# Altium PCB senior_board_rev2.PcbDoc (part 3 of 3)
Units mil, origin at the board's own origin, x right, y up, seen from the top; angles counter-clockwise.
Board outline 5400 x 4100 mil, 4 copper layers (Top Layer, +12V, +1V2, +5V, VOCM, +3V3, -5V, Bottom Layer), stack 30.634 mil thick; 402 components, 226 nets, 1219 pads, 242 vias.
Unrouted connection lines stored in the file: 2.
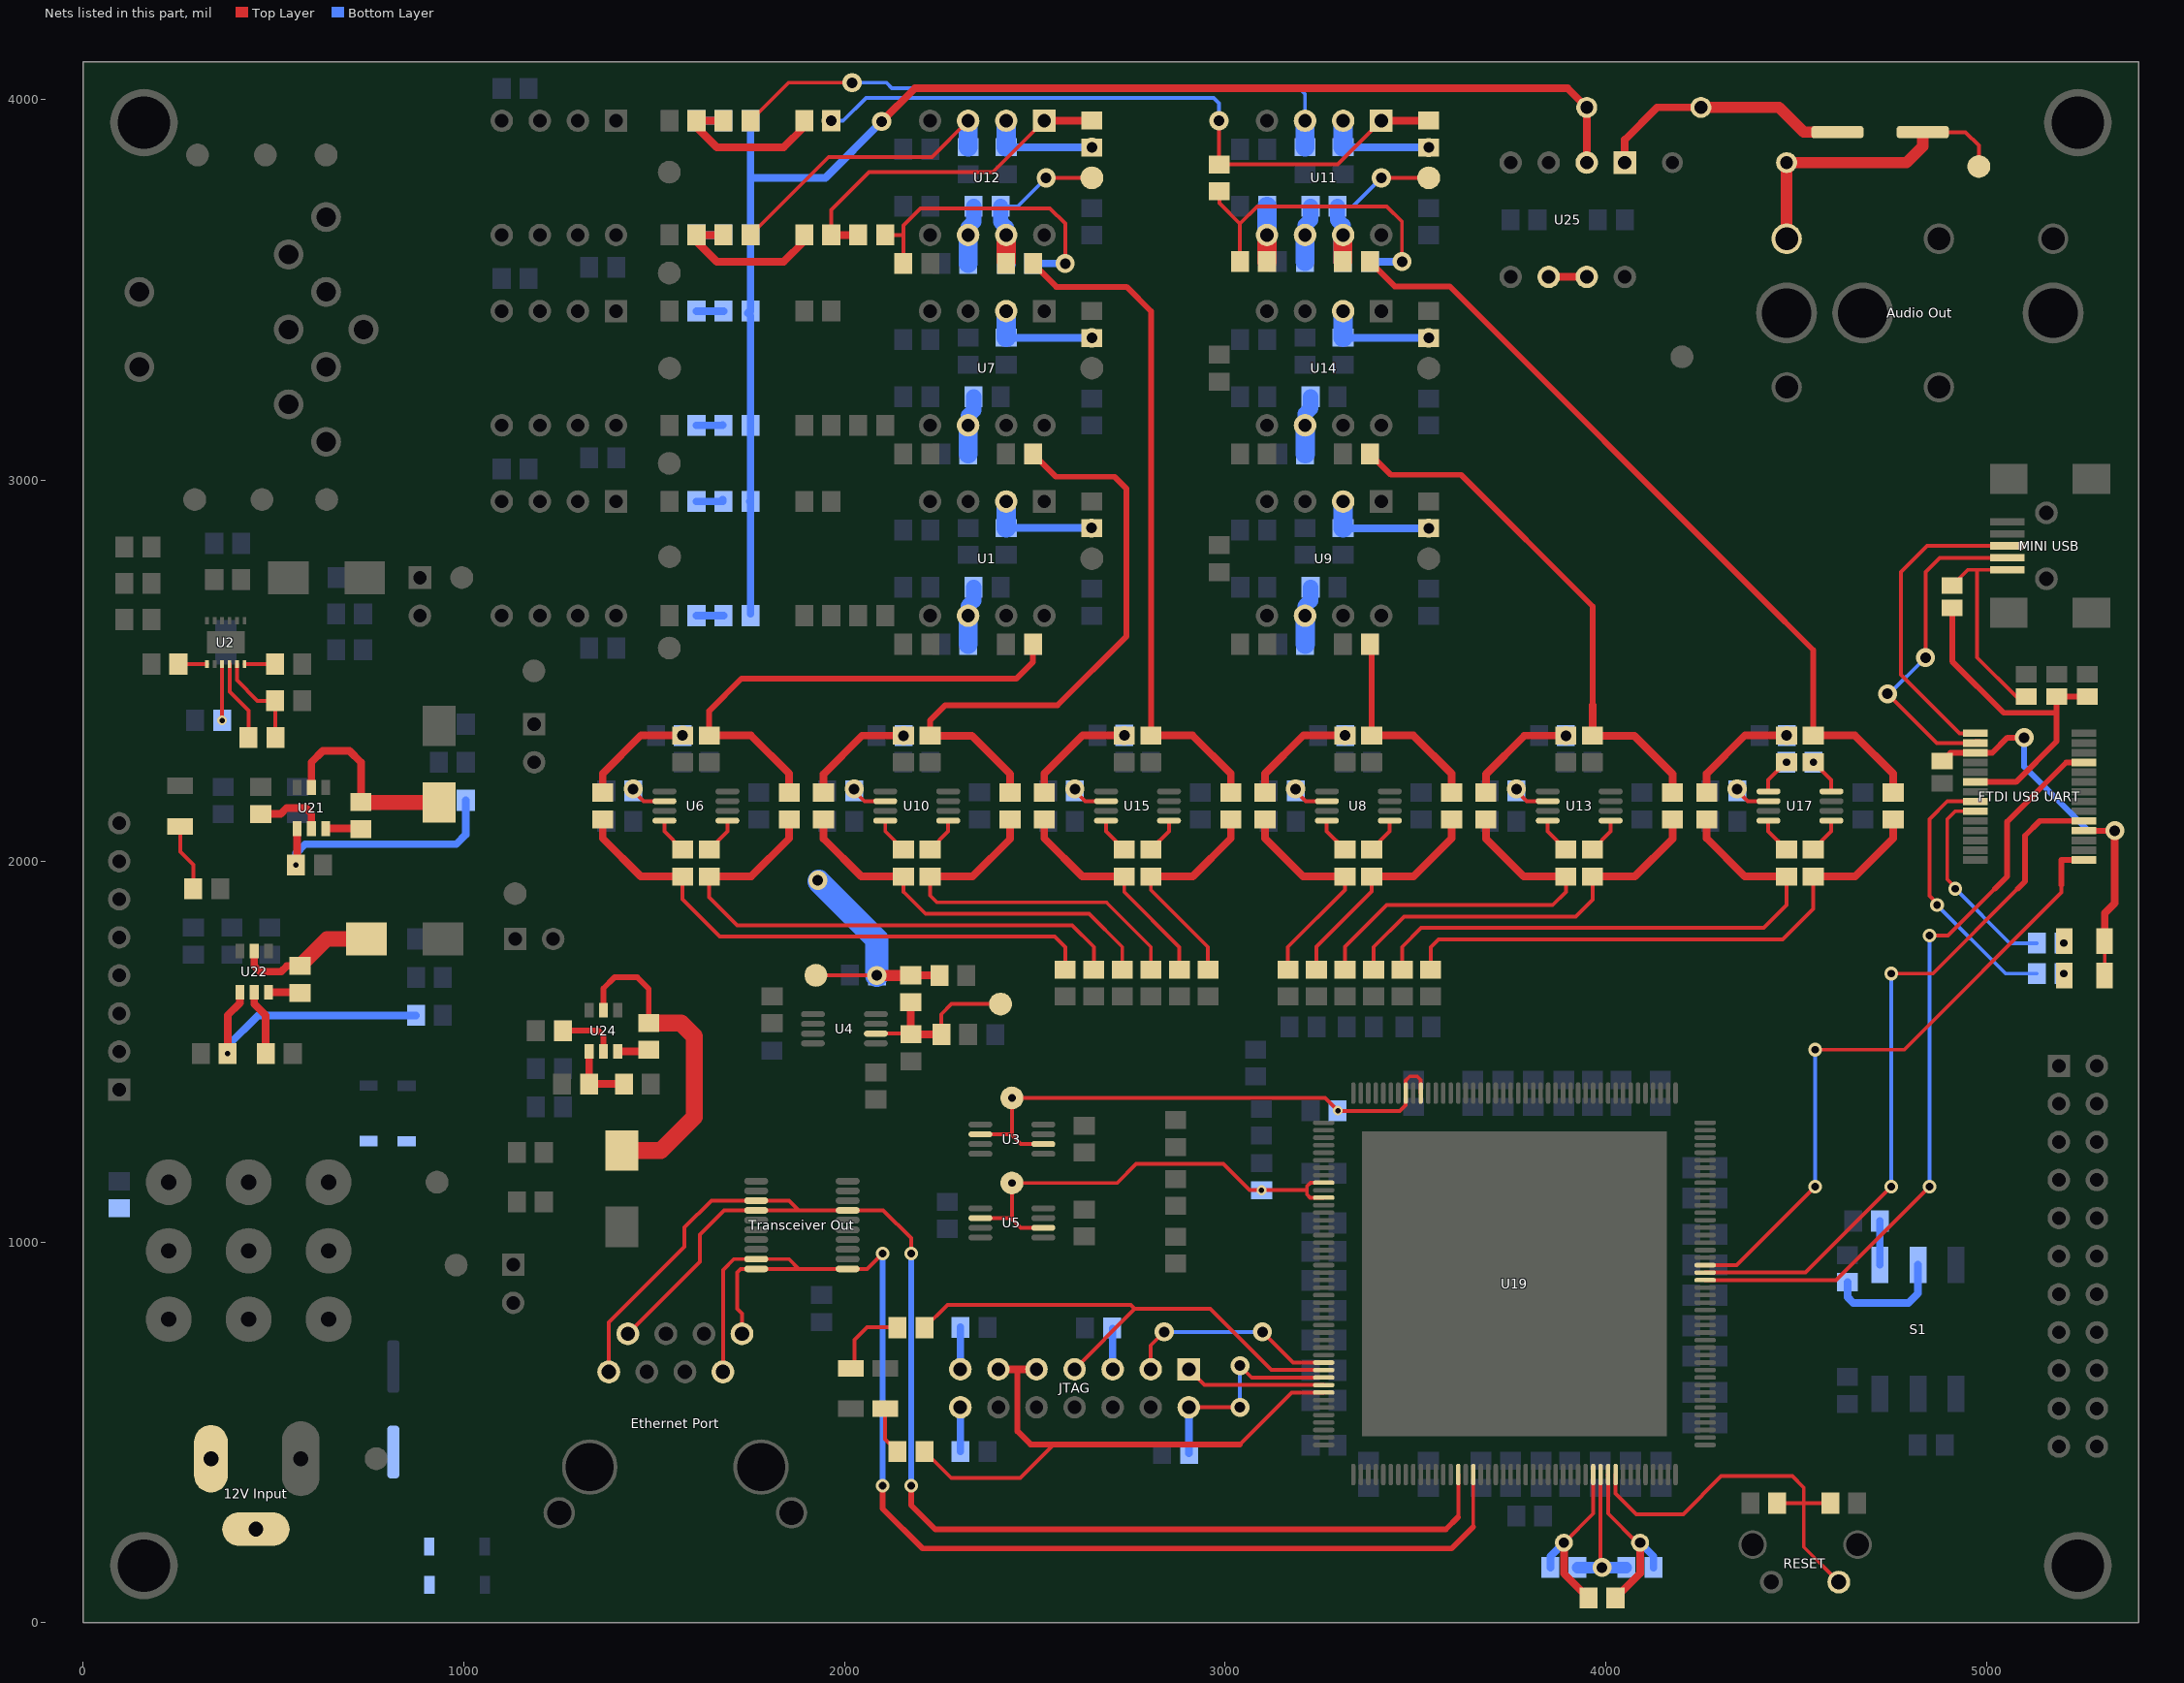
[diagram p5: the nets of this part, all layers, seen from the top]

## Via types
v1: diameter 50, hole 28, Top Layer to Bottom Layer, 120 vias
v2: diameter 26, hole 14, Top Layer to Bottom Layer, 46 vias
v3: diameter 24, hole 12, Top Layer to Bottom Layer, 36 vias
v4: diameter 36, hole 20, Top Layer to Bottom Layer, 27 vias
v5: diameter 40, hole 20, Top Layer to Bottom Layer, 12 vias
v6: diameter 32, hole 18, Top Layer to Bottom Layer, 1 vias

## Nets (pads, with @x,y where several pads share a name; then routed paths per layer and width w, separated by ;. In a path a pad name is that pad's centre, name@x,y a point inside that pad or via, vN(x,y) a via of type N, cw(c..) or ccw(c..) an arc to the next point about the centre after c; other vN are vias at no path point) (continued)
NetC109_1: C109.1 R96.2 U12.3 | length 766.6
  Top Layer w10: R96.2@1753.43,3645 1958.43,3850 2230,3850 U12.3@2325,3945
  Top Layer w20: R96.2@1748.43,3644.84 R96.2@1749.29,3645.71
  Bottom Layer w50: C109.1@2325,3875.43 U12.3@2325,3945
NetC113_1: C113.1 R95.2 R96.1 | length 428.3
  Top Layer w20: R95.2@1611.43,3644.56 1611.43,3628.13 1665,3574.56 1840.32,3574.56 1894.57,3628.8 C113.1@1894.57,3645 ; R95.2@1611.43,3644.84 R95.2@1611.59,3644.84 ; R95.2@1611.43,3645 R95.2@1611.59,3644.84 ; R96.1@1677.56,3641.14 1673.86,3644.84 R95.2@1611.59,3644.84
NetC113_2: C113.2 R87.2 R93.1 U12.1 | length 918.5
  Top Layer w10: C113.2@1965.43,3645 1965.43,3710.43 2065,3810 2390,3810 U12.1@2525,3945 U12.1@2525.43,3945.43
  Top Layer w20: C113.2@1965.43,3645 R93.1@2036.57,3645 ; U12.1@2525.43,3945.43 R87.2@2650,3945.43
NetC114_1: C114.1 R93.2 R94.1 | length 797.2
  Top Layer w10: R93.2@2107.43,3644.84 2154.41,3644.84 2154.57,3645 ; R94.1@2154.57,3570 2154.57,3645 ; v1(2580,3570) 2580,3675 2540,3715 2200,3715 2154.57,3669.57 2154.57,3645
  Bottom Layer w20: C114.1@2495.43,3570 v1(2580,3570)
NetC114_2: C114.2 R89.2 R99.1 TP13.TP U12.7 | length 511.2
  Top Layer w10: R99.1@2410,3575.43 R99.1@2425,3575.43 ; v1(2530,3795) TP13.TP@2650,3795
  Top Layer w50: R99.1@2425,3575.43 U12.7@2425,3645
  Bottom Layer w10: R89.2@2410.43,3720 2455,3720 v1(2530,3795) ; U12.7@2425,3645 U12.7@2425,3665
  Bottom Layer w40: R89.2@2410.43,3720 2410.43,3679.57 U12.7@2425,3665
  Bottom Layer w50: C114.2@2425,3570 U12.7@2425,3645
NetC119_1: C119.1 R108.2 U17.1 | length 96.4
  Top Layer w10: U17.1@4426.89,2184.39 4426.89,2213.32 R108.2@4474.57,2261
  other v5: 4474.57,2260
NetC119_2: C119.2 R118.2 U17.8 | length 96.4
  Top Layer w10: R118.2@4544.57,2261 4592.24,2213.32 U17.8@4592.24,2184.39
  other v5: 4545.43,2260
NetC121_1: C121.1 R112.2 U11.5 | length 145.2
  Top Layer w50: R112.2@3110,3575 U11.5@3110,3645
  Bottom Layer w10: C121.1@3110,3719.57 C121.1@3110.43,3720
  Bottom Layer w50: U11.5@3110,3645 C121.1@3110,3719.57
NetC122_1: C122.1 R114.2 U11.3 | length 1649.8
  Top Layer w10: R114.2@1753.43,3945 1853.43,4045 v1(2020,4045)
  Bottom Layer w10: v1(2020,4045) 2110,4045 2125,4030 3194.75,4030 3210,4014.75 U11.3@3210,3945
  Bottom Layer w50: C122.1@3210,3875.43 U11.3@3210,3945
NetC126_1: C126.1 R113.2 R114.1 | length 432.6
  Top Layer w20: R113.2@1611.43,3945 1611.43,3928.57 1665,3875 1840.32,3875 1894.57,3929.24 C126.1@1894.57,3945 ; R113.2@1611.43,3945.44 1679.25,3945.44 1682.57,3942.13 R114.1@1682.64,3942.13
NetC126_2: C126.2 R105.2 R111.1 U11.1 | length 1822.4
  Top Layer w10: C126.2@1965.43,3945 1970.43,3950 C126.2@1975.43,3945 ; v1(2984,3945) 2984,3831.43 R111.1@2985,3830.43 3295.43,3830.43 U11.1@3410,3945 U11.1@3410.43,3945.43
  Top Layer w20: U11.1@3410.43,3945.43 R105.2@3535,3945.43
  Bottom Layer w10: v1(1965,3944.93) 1996.5,3944.93 2056.57,4005 2969.87,4005 2984,3990.87 v1(2984,3945)
NetC127_1: C127.1 R111.2 R112.1 | length 856.9
  Top Layer w10: R111.2@2985,3759.57 2985,3728.7 3039.13,3674.57 ; R112.1@3039.13,3575 3039.13,3674.57 ; v1(3464.57,3575) 3464.57,3680 3424.57,3720 3084.57,3720 3039.13,3674.57
  Bottom Layer w20: C127.1@3380.43,3575 v1(3464.57,3575)
NetC127_2: C127.2 R107.2 R117.1 TP22.TP U11.7 | length 492.5
  Top Layer w10: U11.7@3309.57,3644.57 U11.7@3310,3645 ; v1(3410.43,3795) TP22.TP@3535,3795
  Top Layer w50: R117.1@3309.57,3575 U11.7@3309.57,3644.57
  Bottom Layer w10: R107.2@3295.43,3720 3335.43,3720 v1(3410.43,3795) ; U11.7@3309.57,3644.57 U11.7@3310,3645
  Bottom Layer w40: R107.2@3295.43,3720 3295.43,3684.57 3310,3670 U11.7@3310,3645
  Bottom Layer w50: C127.2@3309.57,3575 U11.7@3309.57,3645
NetC140_1: C140.1 U22.6 | length 83.6
  Top Layer w10: C140.1@568.7,1655.87 C140.1@570,1654.57
  Top Layer w20: U22.6@486.97,1655.87 C140.1@568.7,1655.87
NetC140_2: C140.2 L7.1 U22.2 | length 375.8
  Top Layer w20: U22.2@449.57,1764.13 449.57,1725.43 465,1710 520.43,1710 535.87,1725.43 C140.2@570,1725.43
  Top Layer w40: C140.2@570,1725.43 640.57,1796 L7.1@744.61,1796
NetC141_1: C141.1 R133.2 U25.1 | length 680.5
  Top Layer w20: U25.1@4050,3835 4050,3895 4135,3980 R133.2@4250,3980
  Top Layer w30: R133.2@4250,3980 4455,3980 4520,3915 C141.1@4608.35,3915
NetC145_2: C145.2 U2.6 | length 80.4
  Top Layer w10: U2.6@424.21,2517.91 C145.2@504.57,2517.91
NetC147_1: C147.1 L6.1 U24.2 | length 864.1
  Top Layer w15: U24.2@1366.88,1608.82 1366.88,1665.88 1396,1695 1456,1695 1486,1665 C147.1@1486,1575.43
  Top Layer w45: L6.1@1415,1240.39 1518.15,1240.39 1606,1328.24 1606,1540 1570.57,1575.43 C147.1@1486,1575.43
NetC147_2: C147.2 U24.6 | length 83.4
  Top Layer w10: C147.2@1481.98,1500.55 C147.2@1486,1504.57
  Top Layer w20: U24.6@1404.28,1500.55 C147.2@1481.98,1500.55
NetC150_2: C150.2 R10.1 | length 71.1
  Bottom Layer w20: C150.2@1611.43,2645 R10.1@1682.57,2645
NetC151_2: C151.2 R134.1 | length 69.2
  Bottom Layer w20: C151.2@1611.43,2945 R134.1@1680.59,2945
NetC153_2: C153.2 R135.1 | length 69.2
  Bottom Layer w20: C153.2@1611.43,3145 R135.1@1680.59,3145.43
NetC155_2: C155.2 R137.1 | length 71.1
  Bottom Layer w20: C155.2@1611.43,3445 R137.1@1682.57,3445
NetC157_2: C157.2 R138.1 | length 69.7
  Bottom Layer w20: C157.2@1611.43,3644.84 1679.33,3644.84 R138.1@1680.63,3646.14
NetC158_2: C158.2 R139.1 | length 71.2
  Bottom Layer w20: C158.2@1611.43,3945 R139.1@1682.57,3945
NetC161_1: C161.1 U21.6 | length 93.1
  Top Layer w10: C161.1@728.7,2085.87 C161.1@730,2084.57
  Top Layer w20: U21.6@637.4,2085.87 C161.1@728.7,2085.87
NetC161_2: C161.2 L1.1 U21.2 | length 536.2
  Top Layer w10: C161.2@730,2155.43 C161.2@730.83,2154.61 ; L1.1@935,2150.67 931.06,2154.61 L1.1@935,2154.61
  Top Layer w20: U21.2@600,2194.13 600,2260 630,2290 700,2290 730,2260 C161.2@730,2155.43
  Top Layer w40: C161.2@730.83,2154.61 L1.1@931.06,2154.61
NetC172_2: C172.2 U2.1 | length 75.4
  Top Layer w10: C172.2@250.43,2517.91 U2.1@325.79,2517.91
NetCU1_1: "MINI USB.1" CU1.1 FB1.1 | length 564.3
  Top Layer w10: FB1.1@4910,2724.53 4950.98,2765.51 4975,2765.51 ; 5055,2765.51 4975,2765.51 ; CU1.1@5104.15,2432.12 5077.88,2432.12 4975,2535 4975,2765.51
NetD_Power_1: D_Power.1 R131.1 | length 178.3
  Top Layer w10: D_Power.1@255,2091.85 255,2025 289.57,1990.43 R131.1@289.57,1927.84
NetD_TCK_1: D_TCK.1 R142.1 | length 125.3
  Top Layer w10: D_TCK.1@2107,561.85 2107,482.57 R142.1@2139.57,450
NetD_TDO_1: D_TDO.1 R143.1 | length 201.1
  Top Layer w10: D_TDO.1@2027,668.15 2027,742.75 2060,775.75 2138.82,775.75 R143.1@2139.57,775
NetD_USB_RX_2: D_USB_RX.2 R141.2
  other v4: 5202.93,1705
NetD_USB_TX_2: D_USB_TX.2 R132.2
  other v4: 5202.93,1785
"NetFTDI USB UART_15": "FTDI USB UART.15" "MINI USB.3" | length 837.7
  Top Layer w10: 4970.63,2336.18 4928.82,2336.18 4775,2490 4775,2760 4843.5,2828.5 5055,2828.5
"NetFTDI USB UART_16": "FTDI USB UART.16" "MINI USB.2" | length 889.9
  Top Layer w10: v1(4740,2440) 4869.41,2310.59 4970.63,2310.59 ; v1(4840,2535) 4840,2760 4877.01,2797.01 5055,2797.01
  Top Layer w15: 4970.63,2312.87 4981.65,2312.87
  Bottom Layer w10: v1(4740,2440) 4745,2440 v1(4840,2535)
NetJTAG_5: JTAG.5 R122.2 | length 109.1
  Bottom Layer w10: R122.2@2703.26,774.29 R122.2@2704.57,772.98
  Bottom Layer w20: JTAG.5@2704.57,665.75 R122.2@2704.57,772.98
NetJTAG_13: JTAG.13 R123.2 | length 110.6
  Top Layer w10: JTAG.13@2304.13,666.18 JTAG.13@2304.57,665.75
  Bottom Layer w20: JTAG.13@2304.57,665.75 R123.2@2304.57,775.75
NetJTAG_14: JTAG.14 R124.2 | length 117.6
  Top Layer w10: JTAG.14@2303.42,564.61 JTAG.14@2304.57,565.75
  Bottom Layer w20: R124.2@2304.57,449.75 JTAG.14@2304.57,565.75
NetR1_1: R1.1 R15.2 R16.1 | length 301.4
  Top Layer w20: R1.1@1365,2180.43 1365,2230 1466,2331 v1(1575,2331)
NetR1_2: R1.2 R17.1 R18.2 | length 1484.4
  Top Layer w10: R18.2@1574.57,1959.57 1574.57,1960 R18.2@1574.57,1967.77 ; R18.2@1575,1959.57 1575,1900 1673,1802 2552.57,1802 2580,1774.57 R17.1@2580,1715.43
  Top Layer w20: R1.2@1365,2109.57 1365,2060 1465,1960 R18.2@1574.57,1960
NetR2_1: R2.1 R4.2 U2.5 | length 261.7
  Top Layer w10: U2.5@404.53,2517.91 404.53,2475.47 458.43,2421.57 R4.2@504.57,2421.57 505.43,2420.71 R2.1@505.43,2325
NetR2_2: R2.2 U2.4 | length 213.5
  Top Layer w10: U2.4@384.84,2517.91 384.84,2445.16 434.57,2395.43 R2.2@434.57,2325
NetR3_1: R3.1 U2.3 | length 148
  Top Layer w10: v2(365,2370) 365.16,2370.16 U2.3@365.16,2517.91
NetR8_1: R8.1 R9.2 U24.4 | length 176.7
  Top Layer w10: U24.4@1329.43,1500.5 U24.4@1329.48,1500.55
  Top Layer w20: U24.4@1329.43,1500.5 R8.1@1329.43,1415 R9.2@1420.57,1415
NetR10_2: R10.2 R133.1 R134.2 R135.2 R137.2 R138.2 R139.2 U25.2 | length 3776.6
  Top Layer w20: v1(2097.85,3942.85) 2185,4030 3860,4030 3900,4030 R133.1@3950,3980 U25.2@3950,3835
  Bottom Layer w10: R137.2@1746.06,3439.57 R137.2@1753.43,3432.2 ; R138.2@1750.2,3644.84 R138.2@1753.43,3641.61 ; R134.2@1751.46,2945 R134.2@1751.46,2950 ; R139.2@1753.43,3944.93 R139.2@1753.5,3945
  Bottom Layer w20: R137.2@1746.06,3439.57 R137.2@1751.5,3445 ; R134.2@1751.46,2945 1753.43,2943.02 R10.2@1753.43,2649.57 ; R134.2@1753.43,2945 R135.2@1753.43,3145 R137.2@1753.43,3432.2 ; R137.2@1753.43,3445 R138.2@1753.43,3641.61 ; R138.2@1753.43,3644.84 R138.2@1753.43,3645 1753.43,3794.96 ; R139.2@1753.43,3944.93 1753.43,3794.96 ; R139.2@1753.5,3945 R139.2@1762.56,3945 ; v1(2097.85,3942.85) 1949.96,3794.96 1753.43,3794.96
NetR11_2: R11.2 R12.1 U1.2 | length 293.7
  Bottom Layer w20: R11.2@2425,2875.43 v1(2649.13,2875.43)
  Bottom Layer w50: R11.2@2425,2875.43 U1.2@2425,2945
NetR13_2: R13.2 R14.1 U1.6 | length 156.2
  Bottom Layer w10: U1.6@2325,2645 U1.6@2325.43,2644.57
  Bottom Layer w40: U1.6@2325,2645 2325,2670 2339.57,2684.57 R14.1@2339.57,2720
  Bottom Layer w50: R13.2@2325.43,2570 U1.6@2325.43,2644.57
NetR18_1: R18.1 U6.4 | length 95.9
  Top Layer w10: U6.4@1527.32,2106.61 1527.32,2078.11 R18.1@1575,2030.43
NetR23_1: R23.1 U6.5 | length 95.9
  Top Layer w10: R23.1@1645,2030.43 1692.68,2078.11 U6.5@1692.68,2106.61
NetR23_2: R23.2 R24.1 R27.2 | length 1479
  Top Layer w10: R23.2@1645,1959.57 1645,1905 1718,1832 2598,1832 2655,1775 R24.1@2655,1715.43
  Top Layer w20: R23.2@1645,1960 1755,1960 1855,2060 R27.2@1855,2109.57
NetR25_2: R25.2 R26.1 R27.1 | length 1315.6
  Top Layer w15: R26.1@1645,2330.87 1645,2395 1730,2480 2452.09,2480 2495.43,2523.35 R25.2@2495.43,2570
  Top Layer w20: R26.1@1645,2330.43 1754.57,2330.43 1855,2230 R27.1@1855,2180.43
NetR30_2: R30.2 R31.1 R36.1 | length 301.7
  Top Layer w10: R36.1@3314.57,2331 3314.57,2330.87 v1(3315,2330.43)
  Top Layer w20: R31.1@3105,2180.43 3105,2230 3206,2331 R36.1@3314.57,2331
NetR31_2: R31.2 R37.1 R38.2 | length 607.4
  Top Layer w10: R37.1@3165,1715.43 3165,1775 3315,1925 R38.2@3315,1959.57
  Top Layer w20: R31.2@3105,2110.13 R31.2@3105,2109.57 3105,2060 3205,1960 R38.2@3314.57,1960
NetR32_2: R32.2 R33.1 U9.2 | length 312.2
  Top Layer w20: U9.2@3312.2,2939.57 U9.2@3324.4,2951.77
  Bottom Layer w10: R32.2@3310,2875.43 R32.2@3310.87,2874.57
  Bottom Layer w20: R32.2@3310.87,2874.57 v1(3535,2874.57)
  Bottom Layer w50: R32.2@3310,2875.43 U9.2@3310,2945
NetR34_2: R34.2 R35.1 U9.6 | length 156.2
  Bottom Layer w10: U9.6@3210,2645 U9.6@3210.43,2644.57
  Bottom Layer w40: U9.6@3210,2645 3210,2670 3224.57,2684.57 R35.1@3224.57,2720
  Bottom Layer w50: R34.2@3210.43,2570 U9.6@3210.43,2644.57
NetR38_1: R38.1 U8.4 | length 95.9
  Top Layer w10: U8.4@3266.89,2107.61 3266.89,2079.11 R38.1@3314.57,2031.43
NetR43_1: R43.1 U8.5 | length 95.9
  Top Layer w10: R43.1@3384.57,2031.43 3432.24,2079.11 U8.5@3432.24,2107.61
NetR43_2: R43.2 R44.1 R47.2 | length 605.8
  Top Layer w10: R44.1@3240,1715.43 3240,1775.43 3385,1920.43 R43.2@3385,1960
  Top Layer w20: R43.2@3385,1960 3494.57,1960 ; 3494.57,1959.57 3595,2060 R47.2@3595,2109.57
NetR45_2: R45.2 R46.1 R47.1 | length 543
  Top Layer w10: R46.1@3385,2330.43 R46.1@3385.43,2330.87
  Top Layer w15: R45.2@3380.43,2570 3385.43,2565 R46.1@3385.43,2330.87
  Top Layer w20: R46.1@3385,2330.43 3494.57,2330.43 3595,2230 R47.1@3595,2180.43
NetR48_2: R48.2 R49.1 R54.1 | length 302.6
  Top Layer w10: R54.1@2154.57,2330.87 v1(2155.43,2330)
  Top Layer w20: R49.1@1945.43,2179.43 1945.43,2229 2046.43,2330 v1(2155.43,2330)
NetR49_2: R49.2 R55.1 R56.2 | length 1038
  Top Layer w10: R56.2@2155,1959.57 2155,1920 2213,1862 2643,1862 2730,1775 R55.1@2730,1715.43
  Top Layer w20: R49.2@1945,2109.57 1945.43,2109.13 1945.43,2059 2044.43,1960 2149,1960 R56.2@2155,1954
NetR50_2: R50.2 R51.1 U7.2 | length 294.9
  Bottom Layer w10: R50.2@2425,3375.43 R50.2@2425.87,3374.57
  Bottom Layer w20: R50.2@2425.87,3374.57 v1(2650,3374.57)
  Bottom Layer w50: R50.2@2425,3375.43 U7.2@2425,3445
NetR52_2: R52.2 R53.1 U7.6 | length 156.2
  Bottom Layer w10: U7.6@2325,3145 U7.6@2325.43,3144.57
  Bottom Layer w40: U7.6@2325,3145 2325,3170 2339.57,3184.57 R53.1@2339.57,3220
  Bottom Layer w50: R52.2@2325.43,3070 U7.6@2325.43,3144.57
NetR56_1: R56.1 U10.4 | length 95.9
  Top Layer w10: U10.4@2107.32,2106.61 2107.32,2078.11 R56.1@2155,2030.43
NetR61_1: R61.1 U10.5 | length 95.9
  Top Layer w10: R61.1@2225,2030.43 2272.68,2078.11 U10.5@2272.68,2106.61
NetR61_2: R61.2 R62.1 R65.2 | length 1045.6
  Top Layer w10: R61.2@2225,1959.57 2225,1910 2243,1892 2688,1892 2805,1775 R62.1@2805,1715.43
  Top Layer w20: R61.2@2225.43,1960 2336.43,1960 2435.43,2059 R65.2@2435.43,2108.57
NetR63_2: R63.2 R64.1 R65.1 | length 1619.4
  Top Layer w10: R64.1@2225,2330.43 R64.1@2225.43,2330.87
  Top Layer w15: R64.1@2225.43,2330.87 2225.43,2370.43 2265,2410 2560,2410 2741.14,2591.14 2741.14,2978.43 2709.57,3010 2555.43,3010 R63.2@2495.43,3070
  Top Layer w20: R64.1@2225.43,2329.43 2335,2329.43 2435.43,2229 R65.1@2435.43,2179.43
NetR66_2: R66.2 R67.1 R72.1 | length 302.2
  Top Layer w10: R72.1@3894.57,2333.3 3895,2332.87 R72.1@3895.43,2332.43
  Top Layer w20: R67.1@3685.43,2179.43 3685.43,2229 3786.43,2330 v1(3895,2330)
NetR67_2: R67.2 R73.1 R74.2 | length 1041
  Top Layer w10: R73.1@3315,1715.43 3315,1775.43 3424.57,1885 3860.43,1885 3895,1919.57 R74.2@3895,1959.57
  Top Layer w20: R67.2@3685,2109.57 3685.43,2109.13 3685.43,2059 3784.43,1960 R74.2@3895,1960
NetR68_2: R68.2 R69.1 U14.2 | length 309.2
  Top Layer w20: U14.2@3313.15,3444.57 U14.2@3323.27,3454.68
  Bottom Layer w10: R68.2@3310,3375.43 R68.2@3310.87,3374.57
  Bottom Layer w20: R68.2@3310.87,3374.57 v1(3535,3374.57)
  Bottom Layer w50: R68.2@3310,3375.43 U14.2@3310,3445
NetR70_2: R70.2 R71.1 U14.6 | length 156.2
  Bottom Layer w10: U14.6@3210,3145 U14.6@3210.43,3144.57
  Bottom Layer w40: U14.6@3210,3145 3210,3175 3224.57,3189.57 R71.1@3224.57,3220
  Bottom Layer w50: R70.2@3210.43,3070 U14.6@3210.43,3144.57
NetR74_1: R74.1 U13.4 | length 95.9
  Top Layer w10: U13.4@3847.32,2106.61 3847.32,2078.11 R74.1@3895,2030.43
NetR79_1: R79.1 U13.5 | length 95.9
  Top Layer w10: R79.1@3965,2030.43 4012.68,2078.11 U13.5@4012.68,2106.61
NetR79_2: R79.2 R80.1 R83.2 | length 1047.6
  Top Layer w10: R80.1@3390,1715.43 3390,1775 3470,1855 3920.87,1855 3965.43,1899.57 R79.2@3965.43,1960
  Top Layer w20: R79.2@3965.43,1960 4076.43,1960 4175.43,2059 R83.2@4175.43,2108.57
NetR81_2: R81.2 R82.1 R83.1 | length 1388.9
  Top Layer w10: R82.1@3965,2332.87 R82.1@3965.43,2333.3
  Top Layer w15: R81.2@3380.43,3070 3435.43,3015 3620,3015 3965.43,2669.57 3965.43,2410
  Top Layer w20: R82.1@3965.43,2329.43 4075,2329.43 4175.43,2229 R83.1@4175.43,2179.43 ; R82.1@3965.43,2333.3 3965.43,2410
NetR84_2: R84.2 R85.1 R90.1 | length 302.6
  Top Layer w10: R90.1@2734.57,2331.38 2734.94,2331 v1(2735.43,2330.51)
  Top Layer w20: R85.1@2525,2180.43 2525,2230 2626,2331 R90.1@2734.94,2331
NetR85_2: R85.2 R91.1 R92.2 | length 605.3
  Top Layer w10: R92.2@2735,1959.57 2735,1919.57 2880,1774.57 R91.1@2880,1715.43
  Top Layer w20: R85.2@2525,2110.13 R85.2@2525,2109.57 2525,2060 2625,1960 R92.2@2734.57,1960
NetR86_2: R86.2 R87.1 U12.2 | length 294.6
  Bottom Layer w20: R86.2@2425,3875.43 v1(2650,3875.43)
  Bottom Layer w50: R86.2@2425,3875.43 U12.2@2425,3945
NetR88_2: R88.2 R89.1 U12.6 | length 156.6
  Top Layer w10: U12.6@2325,3645 U12.6@2325.43,3644.57
  Bottom Layer w10: U12.6@2325,3645 U12.6@2325,3665
  Bottom Layer w40: U12.6@2325,3665 2339.57,3679.57 R89.1@2339.57,3720
  Bottom Layer w50: R88.2@2325,3570 U12.6@2325,3645
NetR92_1: R92.1 U15.4 | length 95.9
  Top Layer w10: U15.4@2686.89,2107.61 2686.89,2079.11 R92.1@2734.57,2031.43
NetR97_1: R97.1 U15.5 | length 95.9
  Top Layer w10: R97.1@2804.57,2031.43 2852.24,2079.11 U15.5@2852.24,2107.61
NetR97_2: R97.2 R98.1 R101.2 | length 607.3
  Top Layer w10: R97.2@2805,1959.57 2805,1925 2955,1775 R98.1@2955,1715.43
  Top Layer w20: R97.2@2805,1960 2915,1960 3015,2060 R101.2@3015,2109.57
NetR99_2: R99.2 R100.1 R101.1 | length 1777.4
  Top Layer w10: R100.1@2805,2330.43 R100.1@2805.43,2330.87
  Top Layer w15: R99.2@2495.43,3570 2556.57,3508.86 2741.14,3508.86 2805.43,3444.57 2805.43,2410 R100.1@2805.43,2330.87
  Top Layer w20: R100.1@2805,2330.43 2914.57,2330.43 3015,2230 R101.1@3015,2180.43
NetR102_2: R102.2 R103.1 R108.1 | length 301.3
  Top Layer w20: R103.1@4265,2180.43 4265,2230 4366,2331 R108.1@4474.94,2331
  other v1: 4475,2330.43
NetR103_2: R103.2 R109.1 R110.2 | length 1490.6
  Top Layer w10: R109.1@3465,1715.43 3465,1775 3515,1825 4414.57,1825 4475,1885.43 R110.2@4475,1959.57
  Top Layer w20: R103.2@4265,2110.13 R103.2@4265,2109.57 4265,2060 4365,1960 R110.2@4474.57,1960
NetR104_2: R104.2 R105.1 U11.2 | length 294.9
  Bottom Layer w10: v1@3534.13,3875.43 v1(3535,3874.57)
  Bottom Layer w20: R104.2@3310,3875.43 v1@3534.13,3875.43
  Bottom Layer w50: R104.2@3310,3875.43 U11.2@3310,3945
NetR106_2: R106.2 R107.1 U11.6 | length 151
  Bottom Layer w40: U11.6@3210,3645 3210,3670 3224.57,3684.57 R107.1@3224.57,3720
  Bottom Layer w50: R106.2@3210,3575 U11.6@3210,3645
NetR110_1: R110.1 U17.4 | length 95.9
  Top Layer w10: U17.4@4426.89,2107.61 4426.89,2079.11 R110.1@4474.57,2031.43
NetR115_1: R115.1 U17.5 | length 95.9
  Top Layer w10: R115.1@4544.57,2031.43 4592.24,2079.11 U17.5@4592.24,2107.61
NetR115_2: R115.2 R116.1 R119.2 | length 1491.7
  Top Layer w10: R116.1@3540,1715.43 3540,1774.57 3560.43,1795 4465,1795 4545,1875 R115.2@4545,1960
  Top Layer w20: R115.2@4545,1960 4655,1960 4755,2060 R119.2@4755,2109.57
NetR117_2: R117.2 R118.1 R119.1 | length 2112.8
  Top Layer w15: R117.2@3380.43,3575 3445.43,3510 3590,3510 4400.43,2699.57 4545,2555 R118.1@4545,2330.43
  Top Layer w20: R118.1@4545,2330.43 4654.57,2330.43 4755,2230 R119.1@4755,2180.43
NetR121_1: R121.1 S1.1 | length 115.2
  Bottom Layer w10: R121.1@4720,1054.57 R121.1@4720.43,1055
  Bottom Layer w20: S1.1@4720,940 R121.1@4720,1054.57
NetR125_1: R125.1 R126.2 U22.4 | length 721.9
  Top Layer w20: v2(380,1495) 380,1595.43 412.17,1627.6 U22.4@412.17,1655.87
  Bottom Layer w20: v2(380,1495) 380,1515 460,1595 R125.1@874.57,1595
NetR127_1: R127.1 U21.5 | length 185.2
  Top Layer w20: R127.1@466.73,2124.13 519.13,2124.13 535,2140 585,2140 600,2125 U21.5@600,2085.87
NetR128_1: R128.1 R145.2 U21.4 | length 684.4
  Top Layer w10: v2(559.57,1990) R145.2@562.6,1993.03
  Top Layer w20: R145.2@562.6,1993.03 U21.4@562.6,2085.87
  Bottom Layer w20: v2(559.57,1990) 559.57,2021.14 583.43,2045 980.43,2045 1005.43,2070 R128.1@1005.43,2160
NetR129_1: R129.1 S1.2 | length 316.1
  Bottom Layer w20: R129.1@4635,894.57 4635,855 4650,840 4795,840 4820,865 S1.2@4820,940
NetR144_1: R144.1 U22.5 | length 173.5
  Top Layer w20: U22.5@449.57,1655.87 449.57,1625.43 480,1595 R144.1@480,1495
NetR146_1: R146.1 U24.5 | length 153.2
  Top Layer w15: R146.1@1260.43,1555 1353.8,1555 1366.88,1541.91 U24.5@1366.88,1500.55
NetU25_6: U25.6 U25.7 | length 100
  Top Layer w20: U25.6@3850,3535 U25.7@3950,3535
RESET: C57.2 R140.1 RESET.2 U19.124 | length 1046.1
  Top Layer w10: U19.124@4025.75,389.02 4025.75,339.25 4080,285 4203.36,285 4303.36,385 4490,385 4520,355 4520,314.07 ; R140.1@4450.43,314.07 4520,314.07 ; C57.2@4589.57,314.07 4520,314.07 ; RESET.2@4612.17,106.59 4520,198.75 4520,314.07
RTS: "FTDI USB UART.11" U19.155 | length 2029.2
  Top Layer w10: U19.155@4260.98,899.84 4604.84,899.84 v4(4850,1145) ; v4(4850,1805) 4899.23,1805 5022.07,1927.84
  Top Layer w15: 5022.07,1927.84 5053.94,1959.71 5053.94,2103.67 5209.67,2259.41 5256.06,2259.41
  Bottom Layer w10: v4(4850,1145) v4(4850,1805)
RXLED#: "FTDI USB UART.22" R141.1 | length 709.9
  Top Layer w10: v4(4870,1885.43) 4870,1889.57 4850,1909.57 4850,2110.13 4896.91,2157.05 4970.63,2157.05
  Bottom Layer w10: v4(4870,1885.43) 5050.43,1705 R141.1@5132.07,1705
SCI_RXDB: "FTDI USB UART.1" U19.157 | length 1699.8
  Top Layer w10: U19.157@4260.01,939.21 U19.157@4260.98,939.21 4344.21,939.21 v4(4550,1145) ; v4(4550,1505) 4784.23,1505 5197.07,1917.84 5197.07,1937.84
  Top Layer w15: 5197.07,1937.84 5197.07,2003.5 5256.06,2003.5
  Bottom Layer w10: v4@4545.43,1145 4550,1149.57 v4(4550,1505)
SCI_TXDB: "FTDI USB UART.5" U19.156 | length 1884.8
  Top Layer w10: U19.156@4260.98,919.53 4524.53,919.53 v4(4750,1145) ; v4(4750,1705) 4859.23,1705 5082.07,1927.84
  Top Layer w15: 5082.07,1927.84 5101.38,1947.15 5101.38,2067.15 5140.09,2105.87 5256.06,2105.87
  Bottom Layer w10: v4(4750,1145) v4(4750,1705)
SPIA_CLK: "Ethernet Port.7" "Ethernet Port.8" "Transceiver Out.1" "Transceiver Out.19" "Transceiver Out.20" U19.105 | length 3484.1
  Top Layer w10: 1681,658.83 1681,926 1710,955 1768.32,955 1854.57,955 1880.16,929.41 ; 1731,758.83 1731,812.02 1718,825.02 1718,919.82 1727.59,929.41 1768.32,929.41 1880.16,929.41 ; v4(2100,970) 2059.41,929.41 2008.48,929.41 1880.16,929.41 ; 3651.73,251.73 U19.105@3651.73,389.02
  Top Layer w15: v4(2100,360) 2100,300 2205,195 3595,195 3651.73,251.73
  Bottom Layer w15: v4(2100,360) v4(2100,970)
SPIA_Data: "Ethernet Port.1" "Ethernet Port.2" "Transceiver Out.7" "Transceiver Out.13" "Transceiver Out.14" U19.103 | length 4041.8
  Top Layer w10: 1381,658.83 1381,788.83 1580,987.83 1580,1037.95 1650.59,1108.54 1768.32,1108.54 1854.57,1108.54 1880.16,1082.95 ; 1431,758.83 1620.71,948.55 1620.71,1019.71 1683.95,1082.95 1768.32,1082.95 1880.16,1082.95 ; v4(2175,970) 2175,1010 2102.05,1082.95 2008.48,1082.95 1880.16,1082.95 ; 3612.36,277.36 U19.103@3612.36,389.02
  Top Layer w15: v4(2175,360) 2175,308.76 2238.76,245 3580,245 3612.36,277.36
  Bottom Layer w15: v4(2175,360) v4(2175,970)
STARGND: "12V Input.2" "12V Input.3" C49.2 C138.1 D1.2 D2.1 D3.1 D4.2
Sum_Out: "Audio Out.T" C141.2 R136.2 TP39.TP | length 829.5
  Top Layer w10: C141.2@4832.76,3915 4945,3915 4980,3880 TP39.TP@4980,3825
  Top Layer w30: 4475,3635 R136.2@4475,3835 4790,3835 4832.76,3877.76 C141.2@4832.76,3915
TCK: JTAG.9 JTAG.11 R142.2 U19.81 | length 1543.2
  Top Layer w10: R142.2@2210.43,450 2280.43,380 2461.54,380 2550,468.46 ; 3038.46,468.46 3174.57,604.57 U19.81@3259.02,604.57
  Top Layer w15: 2454.57,665.75 2454.57,502.8 2488.9,468.46 2550,468.46 3038.46,468.46
  Top Layer w20: JTAG.11@2404.57,665.75 2454.57,665.75 JTAG.9@2504.57,665.75
TDI: JTAG.3 U19.77 | length 565
  Top Layer w10: JTAG.3@2804.57,665.75 2804.57,728.31 v1(2840,763.74) ; v1(3098,763.74) 3178.43,683.31 U19.77@3259.02,683.31
  Bottom Layer w10: v1(2840,763.74) v1(3098,763.74)
TDO: JTAG.7 R143.2 U19.78 | length 1368.2
  Top Layer w10: R143.2@2210.43,775 2270.43,835 2751.82,835 2762.82,824 ; JTAG.7@2604.57,665.75 2762.82,824 ; U19.78@3259.02,663.62 3121.38,663.62 2961,824 2762.82,824
TMS: JTAG.1 U19.80 | length 385.8
  Top Layer w10: JTAG.1@2914.57,675.75 JTAG.1@2904.57,665.75 2946.06,624.25 U19.80@3259.02,624.25
TRST: JTAG.2 R148.2 U19.79 | length 617
  Top Layer w10: JTAG.2@2904.57,585.48 JTAG.2@2904.57,565.75 v1(3038.86,565.75) ; v1(3038.86,675) 3069.92,643.94 U19.79@3259.02,643.94
  Bottom Layer w10: v1(3038.86,565.75) v1(3038.86,675)
  Bottom Layer w20: R148.2@2904.57,445 JTAG.2@2904.57,565.75
TXLED#: "FTDI USB UART.23" R132.1 | length 546.7
  Top Layer w10: v4(4918.24,1927.84) 4918.24,1931.76 4896.91,1953.09 4896.91,2110.13 4918.24,2131.46 4970.63,2131.46
  Bottom Layer w10: v4(4918.24,1927.84) 5061.08,1785 R132.1@5132.07,1785
USB_3V3: "FTDI USB UART.4" "FTDI USB UART.17" CU4.1 D_USB_RX.1 D_USB_TX.1 | length 1097.3
  Top Layer w10: D_USB_RX.1@5310.65,1700 D_USB_TX.1@5310.65,1790
  Top Layer w15: CU4.1@4883.35,2263.35 4905,2285 4970.63,2285 5015.39,2285 5055.07,2324.68 v1(5099.15,2324.68) ; 5256.06,2080.28 v1(5337.07,2080.28)
  Top Layer w20: D_USB_TX.1@5310.65,1790 5310.65,1863.58 5337.07,1890 v1(5337.07,2080.28)
  Bottom Layer w15: v1(5099.15,2324.68) 5099.15,2248.28 5267.16,2080.28 v1(5337.07,2080.28)
USB_VCC: "FTDI USB UART.20" CU2.1 CU3.1 FB1.2 | length 925.8
  Top Layer w15: FB1.2@4910,2665.47 4910,2525 5045,2390 5184.43,2390 ; 4970.63,2208.23 5077.45,2208.23 5184.43,2315.2 5184.43,2390 ; CU3.1@5264.43,2432.12 CU2.1@5184.43,2432.12 5184.43,2390
VOCM: C59.1 C128.1 C129.1 C130.1 C131.1 C132.1 C133.1 R28.1 R29.2 TP23.TP U6.2 U8.2 U10.2 U13.2 U15.2 U17.2 | length 1206.9
  Top Layer w10: v1@1445,2185 1472.2,2157.8 U6.2@1527.32,2157.8 ; TP23.TP@1925,1700.43 1925.43,1700 v1(2085,1700) ; v1@2025.43,2185 2052.64,2157.8 U10.2@2107.32,2157.8 ; R28.1@2172,1700 2174,1702 R28.1@2176,1702 ; R29.2@2249.57,1702 2255,1702 R29.2@2256.57,1700.43 ; v1@2605.43,2185 2632.64,2157.8 U15.2@2687.32,2157.8 ; v1@3185,2185 3212.2,2157.8 U8.2@3267.32,2157.8 ; v1@3765.43,2185 3792.64,2157.8 U13.2@3847.32,2157.8 ; v1@4345,2185.43 4372.64,2157.8 U17.2@4427.32,2157.8
  Top Layer w20: R28.1@2174,1700.43 2248,1700.43 R29.2@2249.57,1702
  Top Layer w30: v1(2085,1700) R28.1@2172,1700
  Bottom Layer w60: v1@1932.39,1947.39 2085,1794.78 v1(2085,1700)
  other v1: 1930,1950 1445,2190 2025.43,2190 2605.43,2190 3185,2190 3765.43,2190 4345,2190
VREF: C40.1 R5.2 R28.2 TP29.TP U4.6 | length 475.1
  Top Layer w10: U4.6@2082.68,1547.2 C40.1@2173.23,1547.2 ; C40.1@2174,1547.98 C40.1@2173.23,1547.2 ; C40.1@2175.43,1545 C40.1@2175,1545.43 C40.1@2173.23,1547.2 ; R5.2@2254.57,1545 2254.57,1598 2281.57,1625 TP29.TP@2410,1625
  Top Layer w20: C40.1@2174,1547.98 R28.2@2174,1629.57 ; C40.1@2175.43,1545 R5.2@2254.57,1545
VREFHIA: R6.1 TP30.TP U3.2 U3.6 U19.35 U19.37 | length 1475.7
  Top Layer w10: U3.2@2357.32,1282.8 2437.2,1282.8 ; U3.6@2522.68,1257.2 2462.8,1257.2 2437.2,1282.8 ; U19.35@3513.94,1390.98 3513.94,1426.06 3505,1435 3485,1435 3474.57,1424.57 U19.37@3474.57,1390.98 3474.57,1359.57 3458.59,1343.59 3297.28,1343.59 v2(3295.87,1345) 3262.51,1378.36 v4(2440,1378.36) 2440,1285.59 2437.2,1282.8
VREFHIB: R7.1 TP32.TP U5.2 U5.6 U19.53 U19.55 | length 1210.8
  Top Layer w10: U5.2@2357.32,1062.8 2437.2,1062.8 ; U5.6@2522.68,1037.2 2462.8,1037.2 2437.2,1062.8 ; U19.55@3259.02,1116.38 3223.62,1116.38 3215,1125 3215,1135 ; U19.53@3259.02,1155.75 3224.47,1155.75 3215,1146.28 3215,1135 ; 2437.2,1062.8 2440,1065.59 v4(2440,1155) 2716.57,1155 2766.57,1205 2995.43,1205 3064.45,1135.98 v2(3095.87,1135.98) 3214.02,1135.98 3215,1135
VSSOSC: C135.1 C136.1 U19.122 | length 376.2
  Top Layer w10: U19.122@3986.38,389.02 3986.38,148.62 v1(3990,145)
  Bottom Layer w10: C135.1@4054.15,145 4054.57,144.59 C135.1@4055.31,144.59
  Bottom Layer w30: C136.1@3925.43,145 v1(3990,145) C135.1@4054.15,145 ; C136.1@3926.18,144.59 C136.1@3926.59,145
X1: C135.2 R120.1 U19.123 XTALA.1 | length 470.4
  Top Layer w10: U19.123@4005.31,387.3 U19.123@4005.31,388.24 ; U19.123@4006.06,389.02 4006.06,286.69 4082.76,210 XTALA.1@4090,210
  Top Layer w20: R120.1@4025.43,65 4090,129.57 XTALA.1@4090,210
  Bottom Layer w20: XTALA.1@4090,210 4125.43,174.57 C135.2@4125.43,145
X2: C136.2 R120.2 U19.121 XTALA.2 | length 464.7
  Top Layer w10: XTALA.2@3890,210 3966.69,286.69 U19.121@3966.69,389.02 ; R120.2@3952.98,66.59 R120.2@3954.57,65
  Top Layer w20: XTALA.2@3890,210 3890,129.57 3952.98,66.59 R120.2@3955.51,66.59
  Bottom Layer w20: C136.2@3854.57,145 3854.57,174.57 XTALA.2@3890,210
pads on no net: "12V AGND.4" "12V AGND.5" "Audio Out.MOUNT" "Audio Out.R" "Audio Out.RB" "Ethernet Port.3" "Ethernet Port.4" "Ethernet Port.5" "Ethernet Port.6" "Ethernet Port." "Foot Switch.2" "FTDI USB UART.2" "FTDI USB UART.6" "FTDI USB UART.8" "FTDI USB UART.9" "FTDI USB UART.10" "FTDI USB UART.12" "FTDI USB UART.13" "FTDI USB UART.14" "FTDI USB UART.19" "FTDI USB UART.24" "FTDI USB UART.27" "FTDI USB UART.28" "GPIO Breakout.22" "MINI USB.4" "MINI USB." "Transceiver Out.3" "Transceiver Out.5" "Transceiver Out.9" "Transceiver Out.11" "Transceiver Out.12" "Transceiver Out.15" "Transceiver Out.16" "Transceiver Out.17" "Transceiver Out.18" JTAG.6 S1.3 S1.4 U3.1 U3.5 U3.8 U4.1 U4.3 U4.7 U4.8 U5.1 U5.5 U5.8 U19.1 U19.2 U19.4 U19.5 U19.6 U19.7 U19.8 U19.9 U19.10 U19.12 U19.13 U19.14 U19.17 U19.18 U19.19 U19.22 U19.23 U19.24 U19.25 U19.27 U19.28 U19.29 U19.38 U19.39 U19.44 U19.45 U19.48 U19.49 U19.60 U19.63 U19.64 U19.65 U19.66 U19.67 U19.69 U19.70 U19.71 U19.73 U19.74 U19.83 U19.84 U19.85 U19.86 U19.87 U19.89 U19.90 U19.92 U19.93 U19.94 U19.95 U19.96 U19.97 U19.98 U19.100 U19.101 U19.102 U19.104 U19.107 U19.108 U19.109 U19.110 U19.111 U19.112 U19.113 U19.115 U19.118 U19.128 U19.129 U19.130 U19.131 U19.132 U19.160 U19.161 U19.162 U19.163 U19.164 U19.165 U19.166 U19.167
copper on no net: | length 420
  Top Layer w60: 225,797 435,797 645,797

## Polygon pours and split planes (outlines as drawn)
AGND on Bottom Layer "Bottom Layer-AGND" (solid, remove dead copper, pour order 12): 2010,1080 2235,855 2979.32,855 3153.14,1485 4510,1480 4510,1525 4820,1835 4820,3110 5400,3110 5400,4100 0,4100 0,1315 1005,1315 1005,1080 1175,1080 1427.42,1080
STARGND on Bottom Layer "Bottom Layer-STARGND" (solid, remove dead copper, pour order 8): 0,0 1000,0 1000,1320 0,1320
DGND on Bottom Layer "Digital Ground" (solid, remove dead copper, pour order 4): 1990,1050 2190,855 2979.32,855 3175.94,1475 4820,1480 4820,3110 5400,3110 5400,0 1000,0 1000,1050 1185,1050 1450,1050
no net on Bottom Layer "Bottom Layer-No Net" (solid, pour order 10): 0,1315
+5V on +12V, +1V2, +5V, VOCM (split plane): 5379.9,20.1 4360.07,20.1 4360.07,1475 4359.78,1477.94 4358.93,1480.77 4357.53,1483.37 4355.66,1485.66 4353.37,1487.53 4350.77,1488.93 4347.94,1489.78 4345,1490.07 3175,1490.07 3172.06,1489.78 3169.23,1488.93 3166.63,1487.53 3164.34,1485.66 3162.47,1483.37 3161.07,1480.77 3160.22,1477.94 3159.93,1475 3159.93,20.1 1075.07,20.1 1075.07,4079.9 5379.9,4079.9
+12V on +12V, +1V2, +5V, VOCM (split plane): 1044.93,20.1 20.1,20.1 20.1,4079.9 1044.93,4079.9
+1V2 on +12V, +1V2, +5V, VOCM (split plane): 4329.93,20.1 3190.07,20.1 3190.07,1459.93 4329.93,1459.93
VOCM on +12V, +1V2, +5V, VOCM (split plane): 4804.93,1895.07 2899.91,1895.07 1315.07,1895.07 1315.07,2474.93 4804.93,2474.93
+3V3 on +3V3, -5V (split plane): 4820,2474.93 5379.9,2474.93 5379.9,20.1 20.1,20.1 20.1,2474.93 4818.61,2474.93 4819.31,2475
-5V on +3V3, -5V (split plane): 5379.9,2505.07 4820,2505.07 4819.31,2505 4818.61,2505.07 20.1,2505.07 20.1,4079.9 5379.9,4079.9

## Keep-outs
Keep-Out Layer:
  the board outline again, w10

## Other copper
+12V, +1V2, +5V, VOCM (plane layer: these items are gaps in the copper):
  lines w30: 0,0 5400,0 ; 1060,0 1060,4100 ; 3175,0 3175,1475 4345,1475 4345,0 ; 1300,1880 2899.91,1880 4820,1880 4820,2490 3814.57,2490 3340,2490 1300,2490 1300,1880
+3V3, -5V (plane layer: these items are gaps in the copper):
  lines w30: 0,2490 4818.61,2490 ; 4820,2490 5400,2490

## Silkscreen, mask and mechanical layers (free items; w line width, h text height)
Top Overlay:
  lines w10: 3778.09,2635 3778.09,3060 4690,3060 4690,2635 3778.09,2635
  text "Pitch Analyzer Pedal" at 3810,2965 h60
  text "UF Senior Design" at 3810,2865 h60
  text "Troy Tharpe" at 3810,2765 h60
  text "Matthew Serwinowski" at 3810,2665 h60
  text "-5V Conv." at 800,2520 h30
  text "+5V Conv." at 835,1990 h30
  text "1.2V Conv." at 1370,1725 h30
  text "ADC Ref." at 2460,1474.57 h40
  text "3V3 Conv." at 320,1400 h30
Bottom Overlay:
  drawing of 5 lines, arcs and shapes, not listed
  text "Pull Ups" at 5005,855 h20 r90
  text "Flash Boot" at 5040,855 h20 r90

## Text inside footprints (layer, text, board x,y; h text height)
"GPIO Breakout": Top Overlay "22" at 5270,380.2 h50 r270; Top Overlay "21" at 5170,375.2 h50 r270; Top Overlay "2" at 5265,1575.2 h50 r270; Top Overlay "1" at 5165,1565.2 h50 r270
JTAG: Top Overlay "13" at 2224.57,685.75 h40 r180; Top Overlay "14" at 2224.57,585.75 h40 r180; Top Overlay "1" at 2996.57,688.75 h40 r180; Top Overlay "2" at 3002.57,587.75 h40 r180
U19: Top Overlay "TMS320F28379D" at 3790.52,1555 h50